# Altium PCB DB4100_MCU_v0.2.PcbDoc
Units mil, origin at the board's own origin, x right, y up, seen from the top; angles counter-clockwise.
Board outline 5905.51 x 2283.46 mil, 2 copper layers (Top Layer, Bottom Layer); 51 components, 62 nets, 267 pads, 43 vias.
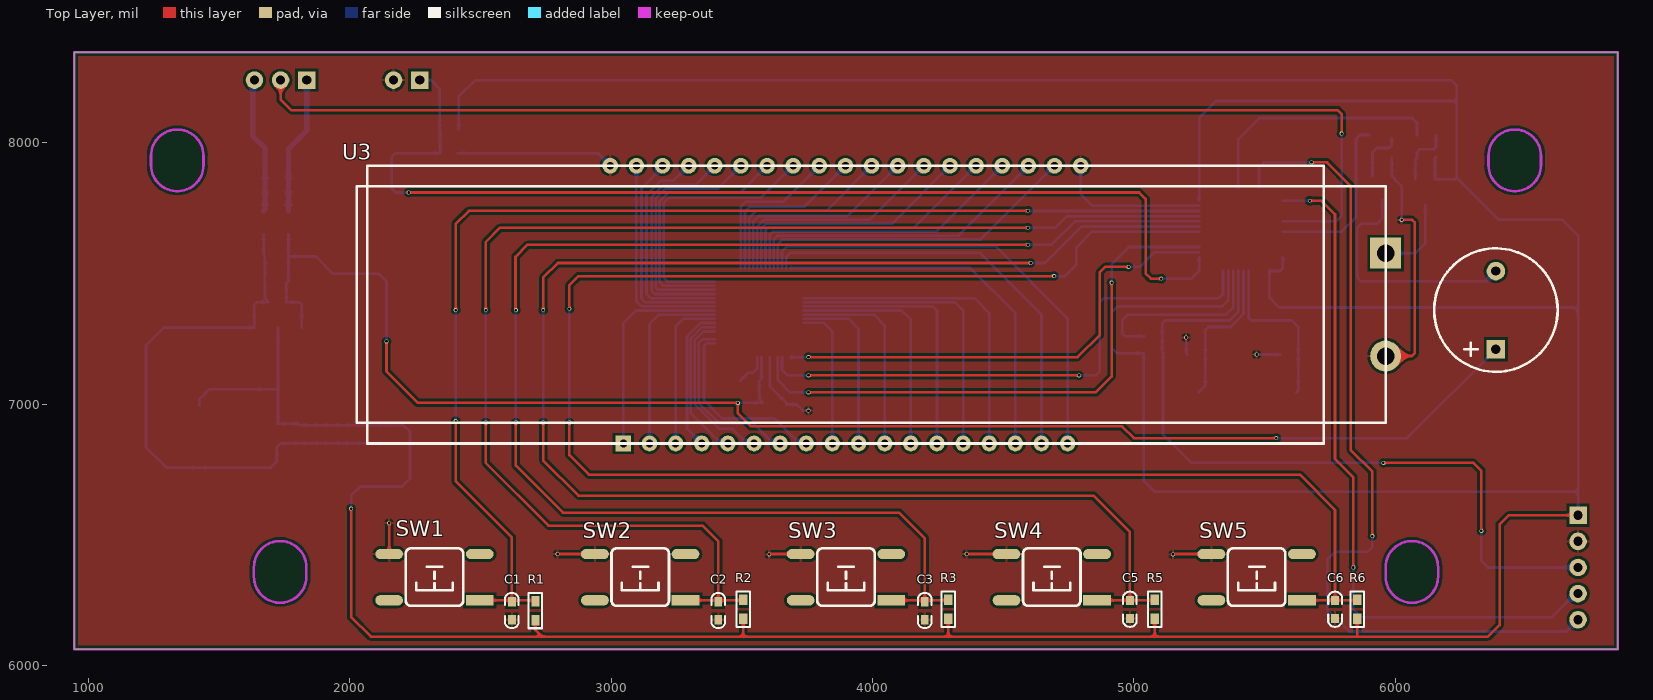
[diagram p0: Top Layer view]
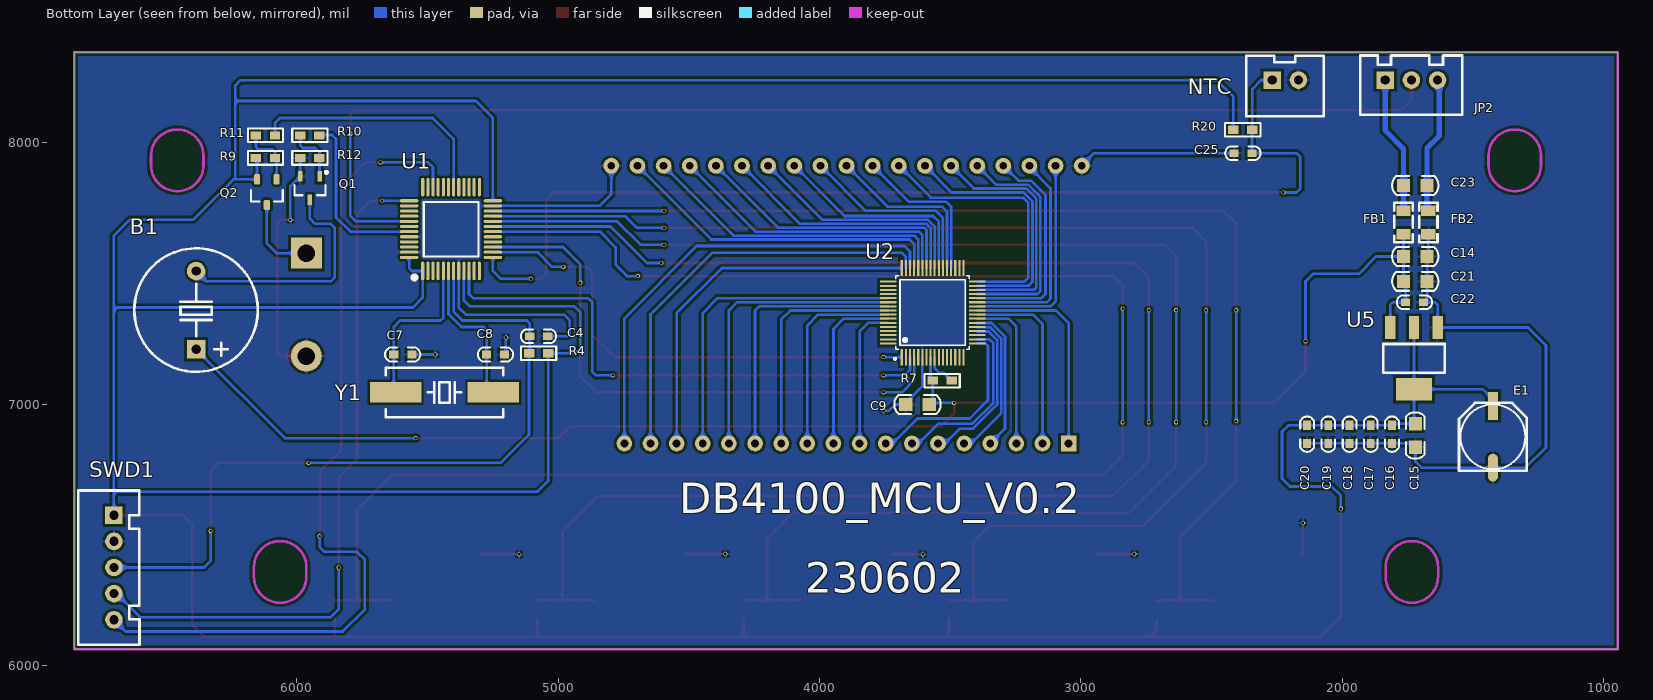
[diagram p1: Bottom Layer view, seen from below]
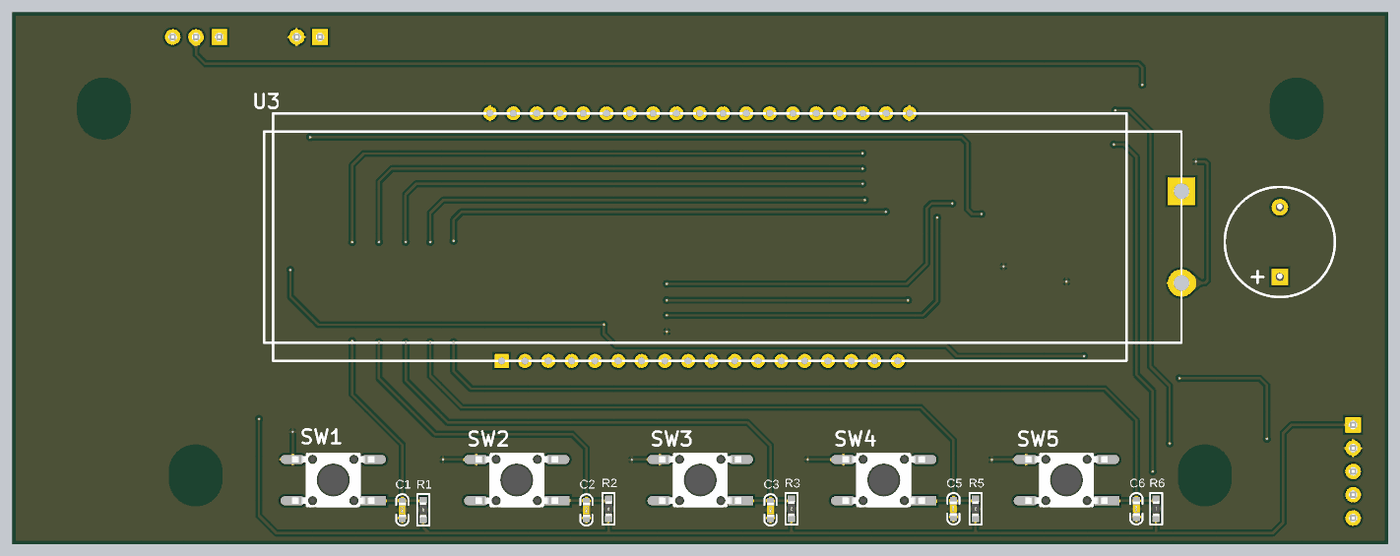
[diagram p2: 3D render of the assembled board from above, using the file's embedded part models]
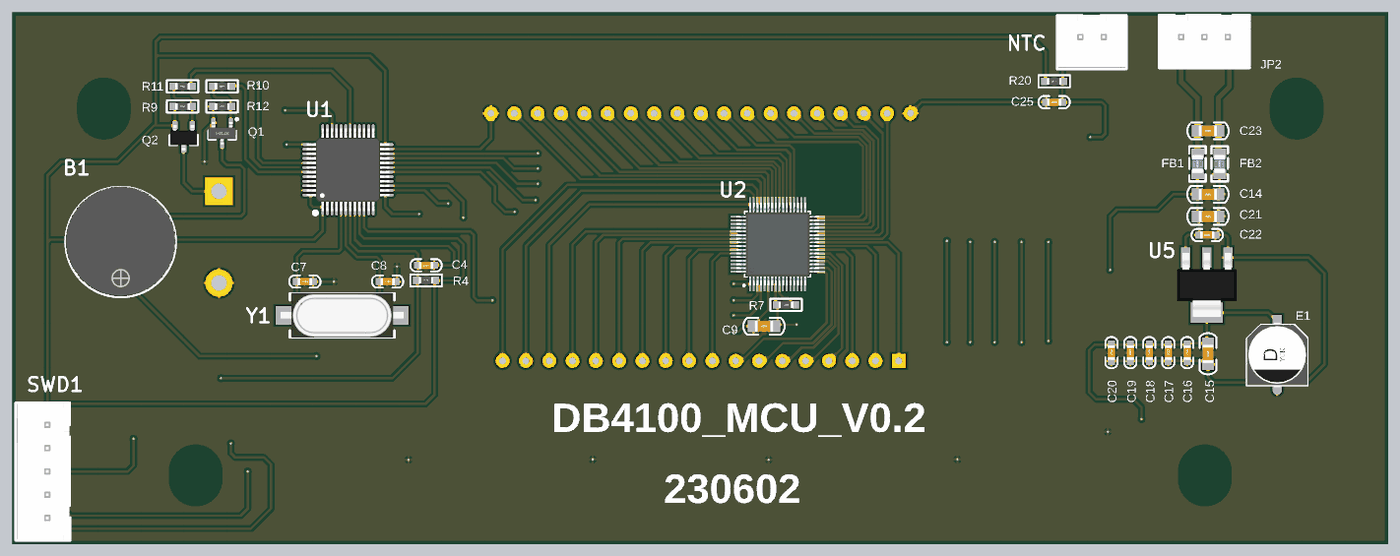
[diagram p3: 3D render of the assembled board from below, using the file's embedded part models]

## Layer stack, top to bottom
Top Solder: solder mask 0.4, Solder Resist, Dk 3.5
Top Layer: signal copper 1.4
Dielectric 1: dielectric 12.6, FR-4, Dk 4.8
Bottom Layer: signal copper 1.4
Bottom Solder: solder mask 0.4, Solder Resist, Dk 3.5

## Board outline
945.8,6062.61 945.8,8346.08 6851.31,8346.08 6851.31,6062.61

## Design rules (kind name [scope] priority, off if disabled: settings)
Clearance [All] p1: gap=5 ignorepadtopadclearanceinfootprint=TRUE
PolygonConnect [All] p1: connectstyle=Relief reliefconductorwidth=10 reliefentries=4 polygonreliefangle="90 Angle" airgapwidth=10
RoutingVias [All] p1: holewidth=28 width=50 viastyle="Through Hole" minholewidth=10 minwidth=15 maxholewidth=28 maxwidth=50
SolderMaskExpansion [All] p1: expansion=4
Width [All] p1: maxlimit=100 minlimit=5 preferedwidth=10
30 further rules are at their usual default settings.

## Components (designator, comment, footprint, x,y, rotation, side; value= is the part's Value field where it differs from the comment)
B1 "DC5V" "BEEP 7.6X12X7.5" 6385,7360 r180 bottom locked
C1 "1nF" "C 0603" 2620,6210 r90 top
C2 "1nF" "C 0603" 3410,6210 r90 top
C3 "1nF" "C 0603" 4200,6210 r90 top
C4 "0.1uF" "C 0603" 5075,7260 r0 bottom
C5 "1nF" "C 0603" 4985,6215 r90 top
C6 "1nF" "C 0603" 5770,6215 r90 top
C7 "22pF" "C 0603" 5595,7190 r0 bottom
C8 "22pF" "C 0603" 5240,7190 r0 bottom
C9 "10uF/16V" "C 0805" 3625,6998.79 r180 bottom
C14 "10uF/16V" "C 0805" 1720,7565 r0 bottom
C15 "10uF/16V" "C 0805" 1720,6880 r90 bottom
C16 "0.1uF" "C 0603" 1809.19,6885 r90 bottom
C17 "0.1uF" "C 0603" 1890.44,6885 r90 bottom
C18 "0.1uF" "C 0603" 1971.69,6885 r90 bottom
C19 "0.1uF" "C 0603" 2052.94,6885 r90 bottom
C20 "0.1uF" "C 0603" 2134.19,6885 r90 bottom
C21 "10uF/16V" "C 0805" 1720,7470 r0 bottom
C22 "0.1uF" "C 0603" 1723.31,7390 r0 bottom
C23 "10uF/16V" "C 0805" 1720,7837 r0 bottom
C25 "0.1uF" "C 0603" 2380,7960.3 r0 bottom
E1 "100uF/16V" "CM D(6.3*5.4)" 1422.97,6875 r90 bottom
FB1 "121" "L 0805" 1765,7695 r270 bottom
FB2 "121" "L 0805" 1670,7695 r270 bottom
JP2 "HDR-1X3" XH2.54-3P 1835,8240 r180 bottom
NTC "HDR-1X2" XH2.54-2P 2267.2,8240 r180 bottom
Q1 "S8050" SOT23-3L 5950,7826.92 r0 bottom
Q2 "AO3401A" SOT23-3 6115,7811.1 r270 bottom
R1 "4.7K" "R 0603" 2710,6210 r270 top
R2 "4.7K" "R 0603" 3505,6215 r270 top
R3 "4.7K" "R 0603" 4290,6215 r270 top
R4 "10K" "R 0603" 5075,7195 r180 bottom
R5 "4.7K" "R 0603" 5080,6215 r270 top
R6 "4.7K" "R 0603" 5855,6215 r270 top
R7 "1K" "R 0603" 3530.64,7090 r180 bottom
R9 "10K" "R 0603" 6120,7941.92 r0 bottom
R10 "1K" "R 0603" 5950,8028.39 r0 bottom
R11 "1K" "R 0603" 6120,8028.39 r0 bottom
R12 "10K" "R 0603" 5950,7941.92 r180 bottom
R20 "10K" "R 0603" 2380,8050 r0 bottom
SW1 "6x6x5" "TSW SMD-6*6*7" 2323.75,6338.21 r180 top locked
SW2 "6x6x5" "TSW SMD-6*6*7" 3111.15,6338.21 r180 top locked
SW3 "6x6x5" "TSW SMD-6*6*7" 3898.56,6338.21 r180 top locked
SW4 "6x6x5" "TSW SMD-6*6*7" 4685.96,6338.2 r180 top locked
SW5 "6x6x5" "TSW SMD-6*6*7" 5470,6338.21 r180 top locked
SWD1 "HDR-1X5" XH2.54-5P 6700,6575 r270 bottom
U1 "STM32F030C8T6" STM32F030C8T6 5410,7670 r180 bottom
U2 "HT1622" HT1622 3746.2,7175.5 r180 bottom
U3 "HS3100" HS3100 1951.71,6987.23 r0 top locked
U5 "AMS1117-3.3" AMS1117-3.3 1725,7175 r90 bottom
Y1 "8MHz" "XTAL-49S SMD" 5435,7045 r0 bottom

## Footprints (in the part's own frame and the unit in brackets; to place one, negate y for a bottom-side part, rotate by r counter-clockwise, add the part's x,y. Pads: shape width x height; smd on the part's side, far side on the other; paste and mask are expansions set on the pad)
AMS1117-3.3 [mm]
  rect 2.2x1 smd: 1(3,-2.3) 2(3,0) 3(3,2.3)
  rect 2.2x3.5 smd: 2(-3,0)
  silkscreen extent -1.4,-3 1.4,3, body extent -3.49,-3.24 3.49,3.24, height 1.64
"BEEP 7.6X12X7.5" [mm] "6.5*12*7.5mm(脚距,直径,高度)"
  rect 1.8x1.8 hole 0.9: 1(-0.011,-3.811)
  round 1.8 hole 0.9: 2(-0.011,3.789)
  silkscreen extent -6.01,-6 5.99,6, body extent -6.01,-5.93 5.99,6.07, height 7.55
"C 0603" [mil] "无极性贴片电容"
  rect 35x30 smd: 1(-35,0) 2(34,0)
  silkscreen extent -67,-26 67,26, body extent -31,-16 31,16, height 32
"C 0805" [mil] "无极性贴片电容"
  rect 50x50 smd: 1(-45,0) 2(45,0)
  silkscreen extent -89,-36 89,36, body extent -39,-24 39,24, height 20
"CM D(6.3*5.4)" [mm] "贴片电解电容，直径6.3mm，高5.4mm"
  rect 2.7x1 smd: 1(3,0)
  oval 2.7x1 smd: 2(-3,0)
  silkscreen extent -3.3,-3.3 3.3,3.3, body extent -3.5,-3.3 3.5,3.3, height 5.4
HS3100 [mil] "HS3100屏幕"
  rect 60x60 hole 30: 1(1094.88,-137.8)
  round 60 hole 30: 2(1194.88,-137.8) 2(1194.88,-137.8) 3(1294.88,-137.8) 4(1394.88,-137.8) 5(1494.88,-137.8) 6(1594.88,-137.8) 7(1694.88,-137.8) 8(1794.88,-137.8) 9(1894.88,-137.8) 10(1994.88,-137.8) 11(2094.88,-137.8) 12(2194.88,-137.8) 13(2294.88,-137.8) 14(2394.88,-137.8) 15(2494.88,-137.8) 16(2594.88,-137.8) 17(2694.88,-137.8) 18(2794.88,-137.8) 19(2844.88,925.2) 20(2744.88,925.2) 21(2644.88,925.2) 22(2544.88,925.2) 23(2444.88,925.2) 24(2344.88,925.2) 25(2244.88,925.2) 26(2144.88,925.2) 27(2044.88,925.2) 28(1944.88,925.2) 29(1844.88,925.2) 30(1744.88,925.2) 31(1644.88,925.2) 32(1544.88,925.2) 33(1444.88,925.2) 34(1344.88,925.2) 35(1244.88,925.2) 36(1144.88,925.2) 37(1044.88,925.2) 37(1044.88,925.2)
  rect 118.11x118.11 hole 66.93: 38(4011.81,590.55)
  round 118.11 hole 66.93: 39(4011.81,196.85)
  silkscreen extent 75,-197 4012,925
HT1622 [mil] "64脚，体宽10x10mm，脚距0.5mm"
  rect 7.9x63 smd mask+2: 1(61,4.5) 2(76.7,4.5) 3(92.5,4.5) 4(108.2,4.5) 5(124,4.5) 6(139.7,4.5) 7(155.5,4.5) 8(171.2,4.5) 9(187,4.5) 10(202.7,4.5) 11(218.5,4.5) 12(234.2,4.5) 13(250,4.5) 14(265.7,4.5) 15(281.5,4.5) 16(297.2,4.5) 33(297.2,345.5) 34(281.5,345.5) 35(265.7,345.5) 36(250,345.5) 37(234.2,345.5) 38(218.5,345.5) 39(202.7,345.5) 40(187,345.5) 41(171.2,345.5) 42(155.5,345.5) 43(139.7,345.5) 44(124,345.5) 45(108.2,345.5) 46(92.5,345.5) 47(76.7,345.5) 48(61,345.5)
  rect 63x7.9 smd mask+2: 17(349.6,56.9) 18(349.6,72.6) 19(349.6,88.4) 20(349.6,104.1) 21(349.6,119.9) 22(349.6,135.6) 23(349.6,151.4) 24(349.6,167.1) 25(349.6,182.9) 26(349.6,198.6) 27(349.6,214.4) 28(349.6,230.1) 29(349.6,245.9) 30(349.6,261.6) 31(349.6,277.4) 32(349.6,293.1) 49(8.6,293.1) 50(8.6,277.4) 51(8.6,261.6) 52(8.6,245.9) 53(8.6,230.1) 54(8.6,214.4) 55(8.6,198.6) 56(8.6,182.9) 57(8.6,167.1) 58(8.6,151.4) 59(8.6,135.6) 60(8.6,119.9) 61(8.6,104.1) 62(8.6,88.4) 63(8.6,72.6) 64(8.6,56.9)
  silkscreen extent 31,-6 320,316, body extent 3,-2 357,352, height 61
"L 0805" [mil] "小功率贴片电感"
  rect 40x55 smd: 1(-45,0) 2(45,0)
  silkscreen extent -75,-35 75,35, body extent -39,-24 39,24, height 35
"R 0603" [mil] "1/10W贴片电阻"
  rect 40x31.5 smd: 1(-36.5,0) 2(36.5,0)
  silkscreen extent -68,-26 68,26, body extent -31,-16 32,16, height 16
SOT23-3 [mm] "SOT23, 3-Leads, Body 3.1x3.0mm (max), Pitch 0.95mm, IPC Medium Density"
  rrect50% 1x0.6 smd: 1(-1.246,0.95) 2(-1.246,-0.95) 3(1.246,0)
  silkscreen extent -0.2,-1.55 0.9,1.55, body extent -1.3,-1.45 1.5,1.45, height 1.2
SOT23-3L [mm] "3x1.3x1mm(长宽高)"
  rect 0.45x1 smd: 1(-0.95,-1.143) 2(0.95,-1.143) 3(0,1.125)
  silkscreen extent -1.72,-1.65 1.5,0.7, body extent -1.5,-1.2 1.5,1.2, height 1.05
STM32F030C8T6 [mm]
  oval 0.3x1.8 smd: 1(-2.75,-4.073) 2(-2.25,-4.073) 3(-1.75,-4.073) 4(-1.25,-4.073) 5(-0.75,-4.073) 6(-0.25,-4.073) 7(0.25,-4.073) 8(0.75,-4.073) 9(1.25,-4.073) 10(1.75,-4.073) 11(2.25,-4.073) 12(2.75,-4.073) 25(2.75,4.073) 26(2.25,4.073) 27(1.75,4.073) 28(1.25,4.073) 29(0.75,4.073) 30(0.25,4.073) 31(-0.25,4.073) 32(-0.75,4.073) 33(-1.25,4.073) 34(-1.75,4.073) 35(-2.25,4.073) 36(-2.75,4.073)
  oval 1.8x0.3 smd: 13(4.073,-2.75) 14(4.073,-2.25) 15(4.073,-1.75) 16(4.073,-1.25) 17(4.073,-0.75) 18(4.073,-0.25) 19(4.073,0.25) 20(4.073,0.75) 21(4.073,1.25) 22(4.073,1.75) 23(4.073,2.25) 24(4.073,2.75) 37(-4.073,2.75) 38(-4.073,2.25) 39(-4.073,1.75) 40(-4.073,1.25) 41(-4.073,0.75) 42(-4.073,0.25) 43(-4.073,-0.25) 44(-4.073,-0.75) 45(-4.073,-1.25) 46(-4.073,-1.75) 47(-4.073,-2.25) 48(-4.073,-2.75)
  silkscreen extent -3.68,-4.83 2.65,2.65, body extent -4.5,-4.5 4.5,4.5, height 1.05
"TSW SMD-6*6*7" [mm] "6*6*7mm"
  rect 2.7x1 smd: 1(-4.4,2.261)
  oval 2.7x1 smd: 2(-4.4,-2.239) 3(4.4,-2.239) 4(4.4,2.261)
  silkscreen extent -2.79,-2.79 2.79,2.79, body extent -4.5,-3 4.5,3, height 6.95
XH2.54-2P [mm] "接插件，2P"
  rect 1.7x1.7 hole 0.9: 1(0,0)
  round 1.7 hole 0.9: 2(2.54,0)
  silkscreen extent -2.54,-3.51 5.01,2.37, body extent -2.5,-3.3 5.04,2.4, height 7.05
XH2.54-3P [mm] "接插件，3P"
  rect 1.7x1.7 hole 0.9: 1(0,0)
  round 1.7 hole 0.9: 2(2.54,0) 3(5.08,0)
  silkscreen extent -2.41,-3.38 7.47,2.39, body extent -2.5,-3.3 7.58,2.4, height 7.03
XH2.54-5P [mm] "接插件，5P"
  rect 1.7x1.7 hole 0.9: 1(0,0)
  round 1.7 hole 0.9: 2(2.54,0) 3(5.08,0) 4(7.62,0) 5(10.16,0)
  silkscreen extent -2.4,-3.45 12.6,2.49, body extent -2.5,-3.3 12.66,2.4, height 7.03
"XTAL-49S SMD" [mm]
  rect 5x2 smd: 1(-4.75,0) 2(4.75,0)
  silkscreen extent -5.7,-2.4 5.7,2.4, body extent -6.7,-2.46 6.7,2.44, height 4

## Part data
B1: library part BEEP, "蜂鸣器", 学习资源=www.oooc
C1 C2 C3 C4 C5 C6 C7 C8 C9 C14 C15 C16 C17 C18 C19 C20 C21 C22 C23 C25: library part C, "无极性贴片电容", BOM名称=无, 学习资源=www.oooc
E1: library part C-CAP, "直插电解电容"
FB1 FB2: library part FB, "磁珠"
JP2: library part "Header 3", "3P接插件", BOM名称=3P, 学习资源=www.oooc
NTC: library part "Header 2", "2P接插件", BOM名称=2P, 学习资源=www.oooc
Q1: library part NPN
Q2: "P-MOS"
R1 R2 R3 R4 R5 R6 R7 R9 R10 R11 R12 R20: library part R, "贴片电阻", BOM名称=Ì, 学习资源=www.oooc
SW1 SW2 SW3 SW4 SW5: library part "TSW SMD-6x6", "贴片6x6轻触开关", BOM名称=贴片6, 学习资源=www.oooc
SWD1: library part "Header 5", "5P接插件", BOM名称=5P, 学习资源=www.oooc
U1: "STM32F030采用ARM Cortex内核，运算速度高达48 MHz。STM32F030是STM32系列中价格最低的产品，具有全套外设，例如高速12位AD"
U2: "LCD驱动，64引脚"
U3: "HS3100的屏幕"
U5: "转3.3V电压"
Y1: library part XTAL-2, "2脚晶振", BOM名称=2, 学习资源=www.oooc

## Via types
v1: diameter 15, hole 10, Top Layer to Bottom Layer, tented both sides, 43 vias

## Nets (pads, with @x,y where several pads share a name; then routed paths per layer and width w, separated by ;. In a path a pad name is that pad's centre, name@x,y a point inside that pad or via, vN(x,y) a via of type N, cw(c..) or ccw(c..) an arc to the next point about the centre after c; other vN are vias at no path point)
3.3V: C15.2 C16.2 C17.2 C18.2 C19.2 C20.2 E1.1 Q2.2 R1.2 R2.2 R3.2 R4.2 R5.2 R6.2 R9.2 R20.2 SWD1.1 U1.1 U1.9 U1.24 U1.48 U5.2 | length 19498.6
  Top Layer w10: v1(2005,6600) 2005,6185 2080,6110 2735,6110 ; R1.2 2710,6135 2735,6110 ; R2.2 3505,6110 ; R3.2 4290,6110 ; R5.2 5080,6110 ; 5855,6115 R6.2 ; SWD1.1 6435,6575 6400,6540 6400,6155 6355,6110 5080,6110 ; 2735,6110 3505,6110 ; 3505,6110 4290,6110 ; 4290,6110 5080,6110
  Bottom Layer w10: E1.1 1422.97,7017.97 1461.89,7056.89 U5.2@1725,7056.89 ; U5.2@1725,7293.11 U5.2@1725,7056.89 ; v1(2005,6600) 2005,6650 2040,6685 2200,6685 2230,6715 2230,6895 2206,6919 C20.2 C19.2 C18.2 C17.2 C16.2 1803.19,6925 C15.2 1725,6930 U5.2@1725,7056.89 ; R20.2 2416.5,8176.5 2480,8240 3500,8240 6215,8240 6235,8220 6235,8160 ; U1.24 5249.65,8094.65 5315,8160 6235,8160 ; U1.9 5360.79,7395.79 5340,7375 4940,7375 4915,7350 4915,7215 4935,7195 R4.2 5038.5,6705 5078.5,6665 6700,6665 ; U1.48 5570.35,7520.35 5559.65,7509.65 U1.1 5518.27,7407.52 5555.79,7370 6688.4,7370 6700,7358.4 ; R9.2@6156.5,7946.92 6152.4,7942.82 Q2.2 6235,7860.15 ; SWD1.1 6700,6665 ; 6235,7860.15 6243.12,7860.15 6398.27,7705 6640,7705 6700,7645 6700,7358.4 ; 6235,7860.15 6235,8160 ; 6700,6665 6700,7358.4
5V: B1.1 C9.2 C14.2 C21.2 C22.2 FB1.2 R7.1 U2.8 U5.3 | length 5966.1
  Top Layer w10: v1(2140,7240) 2140,7125 2260,7005 v1(3485,7005) 3485,6965 3535,6915 4955,6915 5000,6870 v1(5545,6870)
  Bottom Layer w10: FB1.2 C14.2 ; U5.3 1815.55,7380.63 1806.18,7390 C22.2 1757.31,7462.31 C21.2 C14.2 ; v1(2140,7240) 2140,7470 2111.22,7498.78 1936.22,7498.78 1870,7565 C14.2 ; v1(3485,7005) 3580,7005 3567.14,7017.86 R7.1 3575,7097.86 U2.8 ; v1(5545,6870) 6045.46,6870 B1.1
5V_IN: C23.2 FB1.1 JP2.1 | length 529
  Bottom Layer w20: FB1.1 C23.2 1765,7976.95 1835,8046.95 JP2.1
AD_T1: C25.1 NTC.1 R20.1 U1.13 | length 4112.2
  Top Layer w10: v1(2225,7810) 5020,7810 5045,7785 5045,7500 5065,7480 v1(5105,7480)
  Bottom Layer w10: v1(2225,7810) 2175,7810 2160,7825 2160,7945 2175.3,7960.3 C25.1 2345,8048.5 R20.1 2343.5,8206.5 2310,8240 NTC.1 ; v1(5105,7480) 5220,7480 5249.65,7509.65 U1.13
Beep: R10.1 U1.43 | length 659
  Bottom Layer w10: U1.43 5795.16,7660.16 5850,7715 5850,8015 5865,8030 R10.1@5900.42,8030
COM1: U2.17 U3.8 | length 713.5
  Bottom Layer w10: U2.17 3364.73,7232.4 3355,7222.67 3355,7015 3425,6945 3625,6945 3720.56,6849.44 U3.8
COM2: U2.18 U3.7 | length 672.1
  Bottom Layer w10: U2.18 3349.69,7248.1 3335,7233.41 3335,7005 3415,6925 3545,6925 3620.56,6849.44 U3.7
COM3: U2.20 U3.6 | length 626.3
  Bottom Layer w10: U2.20 3394.85,7277.85 3352.33,7277.85 3320,7245.52 3320,6998.79 3412.76,6906.02 3464.7,6906.02 3464.7,6905.3 3520.56,6849.44 U3.6
COM4: U2.21 U3.5 | length 586.3
  Bottom Layer w10: U2.21 3396.6,7294.6 3347.87,7294.6 3305,7251.73 3305,6965 3420.56,6849.44 U3.5
COM5: U2.22 U3.4 | length 560.6
  Bottom Layer w10: U3.4 3290,6906.02 3290,7257.95 3342.45,7310.4 3395.9,7310.4 U2.22
COM6: U2.23 U3.3 | length 609.7
  Bottom Layer w10: U3.3 3246.59,7296.59 3276.9,7326.9 U2.23
COM7: U2.24 U3.2 | length 722.1
  Bottom Layer w10: U3.2@3146.59,6849.44 3146.59,7306.59 3182.6,7342.6 U2.24
COM8: U2.25 U3.1 | length 830.6
  Bottom Layer w10: U3.1 3046.59,7310 3094.99,7358.4 U2.25
CS: U1.14 U2.1 | length 1871.3
  Top Layer w10: v1(3755,7180) 4785,7180 4870,7265 4870,7505 4890,7525 v1(4980,7525)
  Bottom Layer w10: U2.1 v1(3755,7180) ; v1(4980,7525) 5023.5,7525 5079.92,7581.42 U1.14
DGND: C23.1 FB2.1 JP2.3 | length 524.2
  Bottom Layer w20: JP2.3 1628.3,8233.3 1628.3,8026.7 1675,7980 C23.1 1675,7745 FB2.1
GND: C1.1 C2.1 C3.1 C4.1 C5.1 C6.1 C7.1 C8.1 C9.1 C14.1 C15.1 C16.1 C17.1 C18.1 C19.1 C20.1 C21.1 C22.1 C25.2 E1.2 FB2.2 NTC.2 Q1.2 R12.1 SW1.3 SW2.3 SW3.3 SW4.3 SW5.3 SWD1.2 U1.8 U1.23 U1.44 U1.47 U2.6 U3.19 U3.37 U3.39 U5.1 | length 6229.9
  Top Layer w10: v1(2150,6545) 2150.52,6544.48 SW1.3 ; v1(2795,6426.37) SW2.3 ; v1(3605,6425) 3606.37,6426.37 SW3.3 ; v1(4360,6426.37) SW4.3 ; v1(5150.01,6425.01) 5150.01,6426.37 SW5.3 ; U3.39 6064.08,7184.08 6075,7195 6075,7695 6065,7705 v1(6025,7705)
  Bottom Layer w10: FB2.2 1670,7570 C14.1 C21.1 1675,7403.31 C22.1 1645.1,7390 1634.45,7379.35 U5.1 1288.11,7293.11 1220,7225 1220,6835 1298.11,6756.89 E1.2 1696.89,6756.89 1720,6780 C15.1 1735,6850 C16.1 C17.1 C18.1 C19.1 C20.1 ; C25.2 2948.72,7960.3 U3.37@2996.59,7912.43 ; U2.6 3606.5,7068.5 C9.1@3670,7005 ; C9.1 3710,6998.79 3733.79,6975 v1(3755,6975) ; U3.19 4796.59,7803.41 4841.42,7758.58 U1.23 ; C4.1 4965,7260 4955,7270 4955,7320 4977.6,7342.6 5353.07,7342.6 5380.47,7370 U1.8 ; v1(5200,7255) 5200,7195 C8.1 ; v1(5470,7190) C7.1 ; R12.1 5987.4,7941.02 Q1.2 6025,7834.32 v1(6025,7705)
HEAT: JP2.2 U1.41 | length 4781
  Top Layer w10: JP2.2 1735,8165 1775,8125 5780,8125 5795.16,8109.84 v1(5795.16,8035)
  Bottom Layer w10: U1.41 5774.53,7699.53 5795.16,7720.16 v1(5795.16,8035)
K1: C1.2 R1.1 SW1.1 U1.22 | length 4615
  Top Layer w10: v1(2405,6935) 2405,6705 2620,6490 C1.2@2620,6249.21 ; v1(2405,7360) 2405,7690 2455,7740 v1(4595,7740) ; SW1.1 C1.2@2620,6249.21 ; C1.2 C1.2@2620,6249.21 ; R1.1 2707.29,6249.21 C1.2@2620,6249.21
  Bottom Layer w10: v1(2405,6935) v1(2405,7360) ; v1(4595,7740) 4596.1,7738.9 U1.22
K2: C2.2 R2.1 SW2.1 U1.21 | length 5082.6
  Top Layer w10: v1(2520,6930) 2520,6775 2760,6535 3350,6535 3410,6475 C2.2@3410,6249.21 ; v1(2520,7360) 2520,7620 2575,7675 v1(4595,7675) ; SW2.1 C2.2@3410,6249.21 ; C2.2 C2.2@3410,6249.21 ; R2.1 3502.71,6249.21 C2.2@3410,6249.21
  Bottom Layer w10: v1(2520,6930) v1(2520,7360) ; v1(4595,7675) 4700,7675 4744.21,7719.21 U1.21
K3: C3.2 R3.1 SW3.1 U1.20 | length 5613.4
  Top Layer w10: v1(2635,6930) 2635,6765 2815,6585 4101.59,6585 4200,6486.59 C3.2@4200,6249.21 ; v1(2635,7360) 2633.89,7361.11 2633.89,7563.89 2680,7610 v1(4595,7610) ; SW3.1 C3.2@4200,6249.21 ; C3.2 C3.2@4200,6249.21 ; R3.1 4287.71,6249.21 C3.2@4200,6249.21
  Bottom Layer w10: v1(2635,6930) v1(2635,7360) ; v1(4595,7610) 4684.84,7610 4774.37,7699.53 U1.20
K4: C5.2 R5.1 SW4.1 U1.19 | length 6131.5
  Top Layer w10: v1(2740,6930) 2740,6785 2875,6650 4845,6650 4985,6510 C5.2@4985,6249.2 ; v1(2740,7360) 2740,7484.18 2795.82,7540 v1(4605,7540) ; SW4.1 C5.2@4985,6249.2 ; C5.2 C5.2@4985,6249.2 ; R5.1 5077.7,6249.2 C5.2@4985,6249.2
  Bottom Layer w10: v1(2740,6930) v1(2740,7360) ; v1(4605,7540) 4660,7540 4799.84,7679.84 U1.19
K5: C6.2 R6.1 SW5.1 U1.18 | length 6759.3
  Top Layer w10: v1(2840,6930) 2840,6805 2915,6730 5635,6730 5770,6595 C6.2@5770,6249.21 ; v1(2840,7365) 2840,7455 2875,7490 v1(4695,7490) ; SW5.1 C6.2@5770,6249.21 ; C6.2 C6.2@5770,6249.21 ; R6.1 5852.71,6249.21 C6.2@5770,6249.21
  Bottom Layer w10: v1(2840,6930) v1(2840,7365) ; v1(4695,7490) 4736.59,7490 4780,7533.41 4780,7600 4840.16,7660.16 U1.18
LED_ADJ: R11.1 U1.30 | length 957
  Bottom Layer w10: U1.30 5400.16,8015.16 5480,8095 6065,8095 6083.5,8076.5 R11.1
NetB1_2: B1.2 Q1.3 | length 925
  Bottom Layer w10: Q1.3 5950,7710 5930,7690 5870,7690 5855,7675 5855,7485 5870,7470 6346.25,7470 B1.2
NetQ1_1: Q1.1 R10.2 R12.2 | length 203.4
  Bottom Layer w10: Q1.1 5913.5,7872.82 R12.2 5913.5,7963.5 5930,7980 5977.4,7980 5986.5,7989.1 R10.2@5986.5,8016.92
NetQ2_1: Q2.1 R9.1 R11.2 | length 231.8
  Bottom Layer w10: Q2.1 6077.6,7936.02 R9.1 6083.5,7963.5 6096,7976 6148.71,7976 6156.5,7983.79 R11.2
NetR7_2: R7.2 U2.9 | length 126.2
  Bottom Layer w10: R7.2 3524.14,7120 3540,7120 3559.2,7139.2 U2.9
NRST: C4.2 R4.1 SWD1.3 U1.7 | length 2893.5
  Top Layer w10: v1(5955,6775) 6300,6775 6330,6745 v1(6330,6515)
  Bottom Layer w10: U1.7 5400.16,7353.57 5366.59,7320 5120,7320 5109,7309 C4.2 5109,7197.5 R4.1 5111.5,6883.5 5220,6775 v1(5955,6775) ; v1(6330,6515) 6330,6400 6355,6375 SWD1.3
OSC_IN: C7.2 U1.5 Y1.2 | length 636.8
  Bottom Layer w10: U1.5 5439.53,7330.47 5450,7320 5605,7320 5629,7296 C7.2 5629,7051.99 Y1.2
OSC_OUT: C8.2 U1.6 Y1.1 | length 585.7
  Bottom Layer w10: Y1.1 5274,7071.01 C8.2 5274,7283.6 5285.4,7295 5370.47,7295 5419.84,7344.37 U1.6
RD: U1.10 U2.3 | length 2117.6
  Top Layer w10: v1(3755,7110) v1(4790,7110)
  Bottom Layer w10: U2.3 3653.7,7131.3 3675,7110 v1(3755,7110) ; v1(4790,7110) 4855,7110 4870,7125 4870,7390 4885.6,7405.6 5325.6,7405.6 5341.1,7421.1 U1.10
SEG1: U2.26 U3.36 | length 827
  Bottom Layer w10: U3.36 3096.59,7393.41 3115.9,7374.1 U2.26
SEG2: U2.27 U3.35 | length 828.3
  Bottom Layer w10: U3.35 3196.59,7906.59 3115.9,7825.9 3115.9,7404.1 3130.1,7389.9 U2.27
SEG3: U2.28 U3.34 | length 854.8
  Bottom Layer w10: U3.34 3239.16,7855 3190,7855 3135,7800 3135,7421.59 3150.99,7405.6 U2.28
SEG4: U2.29 U3.33 | length 898.2
  Bottom Layer w10: U2.29 3165.7,7421.4 3155,7432.1 3155,7793.41 3201.59,7840 3324.16,7840 U3.33
SEG5: U2.30 U3.32 | length 949.3
  Bottom Layer w10: U2.30 3180,7437.1 3170,7447.1 3170,7787.2 3207.8,7825 3409.16,7825 U3.32
SEG6: U2.31 U3.31 | length 993
  Bottom Layer w10: U2.31 3200.7,7452.9 3185,7468.6 3185,7775 3220,7810 3494.16,7810 U3.31
SEG7: U2.32 U3.30 | length 1043.3
  Bottom Layer w10: U2.32 3395.9,7467.9 3217.1,7467.9 3200.7,7484.3 3200.7,7769.49 3221.21,7790 3574.16,7790 U3.30
SEG8: U2.36 U3.29 | length 600
  Bottom Layer w10: U2.36 3496.2,7755.64 3515.56,7775 3659.16,7775 U3.29
SEG9: U2.37 U3.28 | length 673.3
  Bottom Layer w10: U2.37 3512,7737 3530.64,7755.64 3739.8,7755.64 U3.28
SEG10: U2.38 U3.27 | length 743.3
  Bottom Layer w10: U2.38 3527.7,7712.7 3555,7740 3824.16,7740 U3.27
SEG11: U2.39 U3.26 | length 819.2
  Bottom Layer w10: U2.39 3543.5,7698.5 3565,7720 3904.16,7720 U3.26
SEG12: U2.40 U3.25 | length 892.2
  Bottom Layer w10: U2.40 3559.2,7679.2 3585,7705 3989.16,7705 U3.25
SEG13: U2.41 U3.24 | length 973.9
  Bottom Layer w10: U2.41 3574.2,7521.8 3574.2,7672.99 3591.21,7690 4074.16,7690 U3.24
SEG14: U2.42 U3.23 | length 1052.8
  Bottom Layer w10: U2.42 3590.7,7665.7 3600,7675 4159.16,7675 U3.23
SEG15: U2.43 U3.22 | length 1125.7
  Bottom Layer w10: U2.43 3606.5,7646.5 3620,7660 4244.16,7660 U3.22
SEG16: U2.44 U3.21 | length 1200.4
  Bottom Layer w10: U2.44 3622.2,7630 3637.2,7645 4329.16,7645 U3.21
SEG17: U2.45 U3.20 | length 1274.6
  Bottom Layer w10: U2.45 3638,7613 3655,7630 4414.16,7630 U3.20
SEG18: U2.46 U3.18 | length 1758
  Bottom Layer w10: U2.46 3653.7,7583.7 3675,7605 4470,7605 4746.59,7328.41 U3.18
SEG19: U2.47 U3.17 | length 1618.5
  Bottom Layer w10: U2.47 3669.5,7563.71 3685.79,7580 4410,7580 4646.59,7343.41 U3.17
SEG20: U2.48 U3.16 | length 1431.9
  Bottom Layer w10: U2.48 4374,7521 4546.59,7348.41 U3.16
SEG21: U2.53 U3.15 | length 1231.7
  Bottom Layer w10: U2.53 4389.4,7405.6 4446.59,7348.41 U3.15
SEG22: U2.54 U3.14 | length 1131
  Bottom Layer w10: U2.54 4315.1,7389.9 4346.59,7358.41 U3.14
SEG23: U2.55 U3.13 | length 1024.5
  Bottom Layer w10: U2.55 4230.9,7374.1 4246.59,7358.41 U3.13
SEG24: U2.56 U3.12 | length 897.5
  Bottom Layer w10: U2.56 4111.6,7358.4 4146.59,7323.41 U3.12
SEG25: U2.57 U3.11 | length 777.8
  Bottom Layer w10: U2.57 4005,7342.6 4046.59,7301.01 U3.11
SEG26: U2.58 U3.10 | length 663.9
  Bottom Layer w10: U2.58 3908.1,7326.9 3946.59,7288.41 U3.10
SEG27: U2.59 U3.9 | length 551.5
  Bottom Layer w10: U2.59 3813.9,7311.1 3846.59,7278.41 U3.9
SWCLK: SWD1.4 U1.37 | length 2671.3
  Top Layer w10: v1(5673.27,7778.27) 5718.27,7778.27 5770,7726.54 5770,6790 5840,6720 v1(5840,6375)
  Bottom Layer w10: U1.37 v1(5673.27,7778.27) ; v1(5840,6375) 5840,6215 5870,6185 6600,6185 6690,6275 SWD1.4
SWDIO: SWD1.5 U1.34 | length 3284.1
  Top Layer w10: v1(5680,7925) 5740.09,7925 5830,7835.09 5830,6825 5912.6,6742.4 v1(5912.6,6495)
  Bottom Layer w10: U1.34 5478.9,7906.59 5497.31,7925 v1(5680,7925) ; v1(5912.6,6495) 5912.6,6454.19 5893.4,6435 5770,6435 5740,6405 5740,6215 5825,6130 6655,6130 SWD1.5
VLED+: Q2.3 U3.38 | length 313.9
  Bottom Layer w10: U3.38 6077.78,7577.78 6115,7615 Q2.3
WR: U1.15 U2.4 | length 2201.2
  Top Layer w10: v1(3755,7045) 4854.19,7045 4915,7105.81 v1(4915,7465)
  Bottom Layer w10: U2.4 3638,7091.5 3684.5,7045 v1(3755,7045) ; v1(4915,7465) 4915,7535 4981.1,7601.1 U1.15
pads on no net: SW1.2 SW1.4 SW2.2 SW2.4 SW3.2 SW3.4 SW4.2 SW4.4 SW5.2 SW5.4 U1.2 U1.3 U1.4 U1.11 U1.12 U1.16 U1.17 U1.25 U1.26 U1.27 U1.28 U1.29 U1.31 U1.32 U1.33 U1.35 U1.36 U1.38 U1.39 U1.40 U1.42 U1.45 U1.46 U2.2 U2.5 U2.7 U2.10 U2.11 U2.12 U2.13 U2.14 U2.15 U2.16 U2.19 U2.33 U2.34 U2.35 U2.49 U2.50 U2.51 U2.52 U2.60 U2.61 U2.62 U2.63 U2.64

## Polygon pours and split planes (outlines as drawn)
GND on Top Layer "Top Layer-No Net" (solid, remove dead copper, pour order 0): 945.8,6062.61 945.8,8346.08 6851.31,8346.08 6851.31,6062.61
GND on Bottom Layer "Top Layer-No Net1" (solid, remove dead copper, pour order 1): 945.8,6062.61 945.8,8346.08 6851.31,8346.08 6851.31,6062.61

## Keep-outs
Keep-Out Layer:
  lines w10: 945.8,6062.61 945.8,8346.08 6851.31,8346.08 6851.31,6062.61 945.8,6062.61 ; 1239.11,7914.98 ccw(c1339.5,7914.98) 1439.89,7914.98 1439.89,7950.41 ccw(c1339.5,7950.41) 1239.11,7950.41 1239.11,7914.98 ; 1632.81,6340.17 ccw(c1733.2,6340.17) 1833.6,6340.17 1833.59,6375.61 ccw(c1733.2,6375.61) 1632.81,6375.61 1632.81,6340.17 ; 5963.52,6340.17 ccw(c6063.91,6340.17) 6164.3,6340.17 6164.3,6375.61 ccw(c6063.91,6375.61) 5963.52,6375.61 5963.52,6340.17 ; 6357.22,7914.98 ccw(c6457.61,7914.98) 6558,7914.98 6558,7950.41 ccw(c6457.61,7950.41) 6357.22,7950.41 6357.22,7914.98

## Silkscreen, mask and mechanical layers (free items; w line width, h text height)
Bottom Overlay:
  text "DB4100_MCU_V0.2" at 4536.15,6545 h200
  text "230602" at 4055,6240 h200
Mechanical 8:
  lines w0.5: 1733.2,6159.07 1733.2,6161.04 ; 6063.91,6159.07 6063.91,6161.04